# KiCad board FPGA_DevBoard.kicad_pcb (continued)
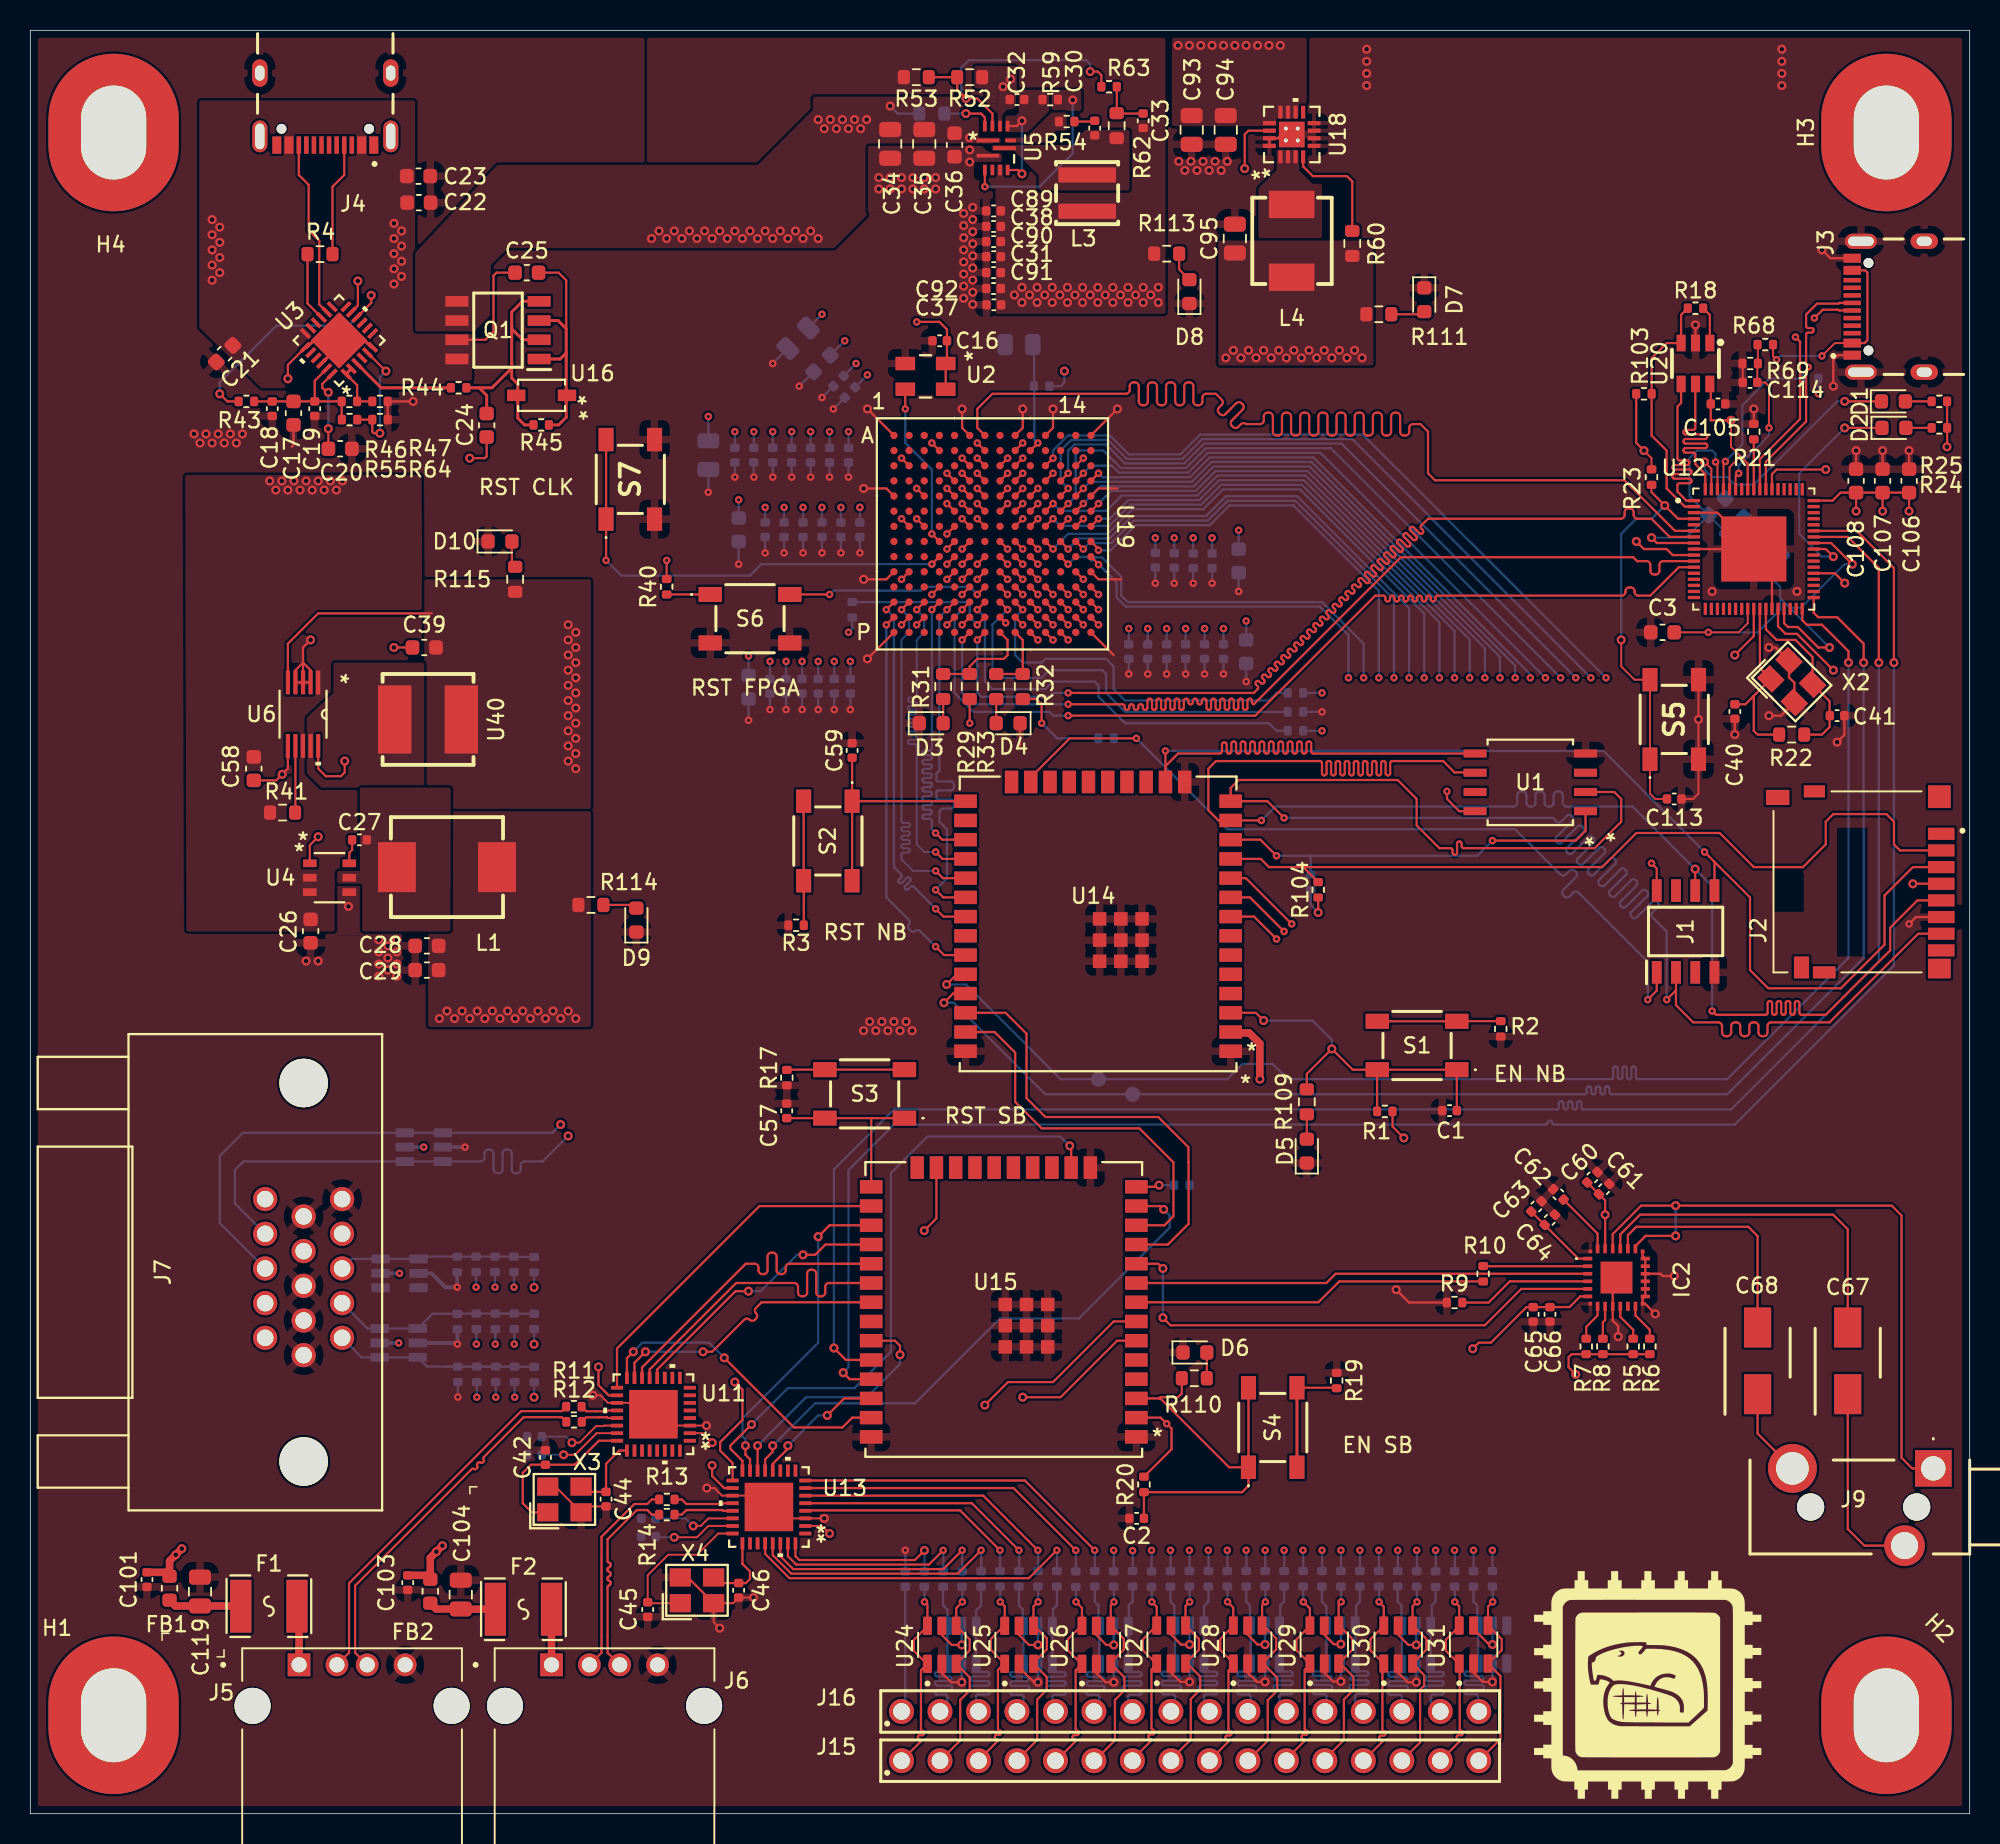
[diagram p0: board, top side]
## Routing (per net, layer and track width the routed paths; a pad name or vN(x,y) marks a point on that pad's centre or on a via; arc(x,y) is an arc through that point) (continued)
  Bottom signal w0.15: R50.1 v1(29.44,31.01)
G1: length 90.4
  Top signal w0.15: U19.M12 v1(68.5,79.5)
  Top PWR w0.15: v1(68.5,79.5) 69,79 69,78.1 69.5,77.6 69.5,77 66.25,73.75 66.25,66.52 arc(66.21,66.42) 66.1,66.38 65.96,66.38 arc(65.86,66.33) 65.82,66.23 65.82,66.15 arc(65.86,66.05) 65.96,66.01 66.1,66.01 arc(66.21,65.96) 66.25,65.86 66.25,65.78 arc(66.21,65.68) 66.1,65.64 65.96,65.64 arc(65.86,65.59) 65.82,65.49 65.82,65.41 arc(65.86,65.31) 65.96,65.27 66.1,65.27 arc(66.21,65.22) 66.25,65.12 66.25,65.04 arc(66.21,64.94) 66.1,64.9 65.96,64.9 arc(65.86,64.85) 65.82,64.75 65.82,64.67 arc(65.86,64.57) 65.96,64.53 66.1,64.53 arc(66.21,64.48) 66.25,64.38 66.25,64.3 arc(66.21,64.2) 66.1,64.16 65.96,64.16 arc(65.86,64.11) 65.82,64.01 65.82,63.93 arc(65.86,63.83) 65.96,63.79 66.1,63.79 arc(66.21,63.74) 66.25,63.64 66.25,63.56 arc(66.21,63.46) 66.1,63.42 65.96,63.42 arc(65.86,63.37) 65.82,63.27 65.82,63.19 arc(65.86,63.09) 65.96,63.05 66.1,63.05 arc(66.21,63) 66.25,62.9 66.25,62.82 arc(66.21,62.72) 66.1,62.68 65.96,62.68 arc(65.86,62.63) 65.82,62.53 65.82,62.45 arc(65.86,62.35) 65.96,62.31 66.1,62.31 arc(66.21,62.26) 66.25,62.16 66.25,62.08 arc(66.21,61.98) 66.1,61.94 65.96,61.94 arc(65.86,61.89) 65.82,61.79 65.82,61.71 arc(65.86,61.61) 65.96,61.57 66.1,61.57 arc(66.21,61.52) 66.25,61.42 66.25,61.34 arc(66.21,61.24) 66.1,61.2 65.96,61.2 arc(65.86,61.15) 65.82,61.05 65.82,60.97 arc(65.86,60.87) 65.96,60.83 66.1,60.83 arc(66.21,60.78) 66.25,60.68 66.25,60.6 arc(66.21,60.5) 66.1,60.46 65.96,60.46 arc(65.86,60.41) 65.82,60.31 65.82,60.23 arc(65.86,60.13) 65.96,60.09 66.1,60.09 arc(66.21,60.04) 66.25,59.94 66.25,59.86 arc(66.21,59.76) 66.1,59.72 65.96,59.72 arc(65.86,59.67) 65.82,59.57 65.82,59.49 arc(65.86,59.39) 65.96,59.35 66.1,59.35 arc(66.21,59.3) 66.25,59.2 66.25,59.12 arc(66.21,59.02) 66.1,58.98 65.96,58.98 arc(65.86,58.93) 65.82,58.83 65.82,58.75 arc(65.86,58.65) 65.96,58.61 66.1,58.61 arc(66.21,58.56) 66.25,58.46 66.25,58.38 arc(66.21,58.28) 66.1,58.24 65.96,58.24 arc(65.86,58.19) 65.82,58.09 65.82,58.01 arc(65.86,57.91) 65.96,57.87 66.1,57.87 arc(66.21,57.82) 66.25,57.72 66.25,57.64 arc(66.21,57.54) 66.1,57.5 65.96,57.5 arc(65.86,57.45) 65.82,57.35 65.82,57.27 arc(65.86,57.17) 65.96,57.13 66.1,57.13 arc(66.21,57.08) 66.25,56.98 66.25,56.9 arc(66.21,56.8) 66.1,56.76 65.96,56.76 arc(65.86,56.71) 65.82,56.61 65.82,56.53 arc(65.86,56.43) 65.96,56.39 66.1,56.39 arc(66.21,56.34) 66.25,56.24 66.25,56.16 arc(66.21,56.06) 66.1,56.02 65.96,56.02 arc(65.86,55.97) 65.82,55.87 65.82,55.79 arc(65.86,55.69) 65.96,55.65 66.1,55.65 arc(66.21,55.6) 66.25,55.5 66.25,55.42 arc(66.21,55.32) 66.1,55.28 65.96,55.28 arc(65.86,55.23) 65.82,55.13 65.82,55.05 arc(65.86,54.95) 65.96,54.91 66.1,54.91 arc(66.21,54.86) 66.25,54.76 66.25,50.22 61.53,45.5 39.63,45.5 34.3,40.17 34.3,34.63 33.37,33.7 31.45,33.7 30.69,32.94 v1(30.69,31.01)
  Bottom signal w0.15: R49.1 v1(30.69,31.01)
G2: length 90.4
  Top signal w0.15: U19.M13 v1(69.5,79.5)
  Top PWR w0.15: v1(31.94,31.01) 31.94,32.69 32.65,33.4 33.5,33.4 34.6,34.5 34.6,40.04 39.06,44.5 52.27,44.5 arc(52.37,44.54) 52.4,44.63 52.4,45.06 arc(52.44,45.15) 52.54,45.19 52.6,45.19 arc(52.7,45.15) 52.73,45.06 52.73,44.63 arc(52.77,44.54) 52.87,44.5 52.93,44.5 arc(53.03,44.54) 53.06,44.63 53.06,45.06 arc(53.1,45.15) 53.2,45.19 53.26,45.19 arc(53.36,45.15) 53.39,45.06 53.39,44.63 arc(53.43,44.54) 53.53,44.5 53.59,44.5 arc(53.69,44.54) 53.72,44.63 53.72,45.06 arc(53.76,45.15) 53.86,45.19 53.92,45.19 arc(54.02,45.15) 54.05,45.06 54.05,44.63 arc(54.09,44.54) 54.19,44.5 54.25,44.5 arc(54.35,44.54) 54.38,44.63 54.38,45.06 arc(54.42,45.15) 54.52,45.19 54.58,45.19 arc(54.68,45.15) 54.71,45.06 54.71,44.63 arc(54.75,44.54) 54.85,44.5 54.91,44.5 arc(55.01,44.54) 55.04,44.63 55.04,45.06 arc(55.08,45.15) 55.18,45.19 55.24,45.19 arc(55.34,45.15) 55.37,45.06 55.37,44.63 arc(55.41,44.54) 55.51,44.5 55.57,44.5 arc(55.67,44.54) 55.7,44.63 55.7,45.06 arc(55.74,45.15) 55.84,45.19 55.9,45.19 arc(56,45.15) 56.03,45.06 56.03,44.63 arc(56.07,44.54) 56.17,44.5 56.23,44.5 arc(56.33,44.54) 56.36,44.63 56.36,45.06 arc(56.4,45.15) 56.5,45.19 56.56,45.19 arc(56.66,45.15) 56.69,45.06 56.69,44.63 arc(56.73,44.54) 56.83,44.5 56.89,44.5 arc(56.99,44.54) 57.02,44.63 57.02,45.06 arc(57.06,45.15) 57.16,45.19 57.22,45.19 arc(57.32,45.15) 57.35,45.06 57.35,44.63 arc(57.39,44.54) 57.49,44.5 57.55,44.5 arc(57.65,44.54) 57.68,44.63 57.68,45.06 arc(57.72,45.15) 57.82,45.19 57.88,45.19 arc(57.98,45.15) 58.01,45.06 58.01,44.63 arc(58.05,44.54) 58.15,44.5 61.94,44.5 67.25,49.81 67.25,74.25 70,77 70,79 v1(69.5,79.5)
  Bottom signal w0.15: R48.1 v1(31.94,31.01)
G3: length 90.4
  Top signal w0.15: U19.N14 v1(70.5,78.5)
  Top PWR w0.15: v2(33.25,31) 33.25,32.73 34.9,34.38 34.9,39.92 38.73,43.75 62.25,43.75 68,49.5 68,55.45 arc(67.96,55.54) 67.88,55.57 67.68,55.57 arc(67.6,55.61) 67.56,55.69 67.56,55.75 arc(67.6,55.84) 67.68,55.87 67.88,55.87 arc(67.96,55.91) 68,55.99 68,56.05 arc(67.96,56.14) 67.88,56.17 67.68,56.17 arc(67.6,56.21) 67.56,56.29 67.56,56.35 arc(67.6,56.44) 67.68,56.47 67.88,56.47 arc(67.96,56.51) 68,56.59 68,56.65 arc(67.96,56.74) 67.88,56.77 67.68,56.77 arc(67.6,56.81) 67.56,56.89 67.56,56.95 arc(67.6,57.04) 67.68,57.07 67.88,57.07 arc(67.96,57.11) 68,57.19 68,57.25 arc(67.96,57.34) 67.88,57.37 67.68,57.37 arc(67.6,57.41) 67.56,57.49 67.56,57.55 arc(67.6,57.64) 67.68,57.67 67.88,57.67 arc(67.96,57.71) 68,57.79 68,57.85 arc(67.96,57.94) 67.88,57.97 67.68,57.97 arc(67.6,58.01) 67.56,58.09 67.56,58.15 arc(67.6,58.24) 67.68,58.27 67.88,58.27 arc(67.96,58.31) 68,58.39 68,58.45 arc(67.96,58.54) 67.88,58.57 67.68,58.57 arc(67.6,58.61) 67.56,58.69 67.56,58.75 arc(67.6,58.84) 67.68,58.87 67.88,58.87 arc(67.96,58.91) 68,58.99 68,59.05 arc(67.96,59.14) 67.88,59.17 67.68,59.17 arc(67.6,59.21) 67.56,59.29 67.56,59.35 arc(67.6,59.44) 67.68,59.47 67.88,59.47 arc(67.96,59.51) 68,59.59 68,59.65 arc(67.96,59.74) 67.88,59.77 67.68,59.77 arc(67.6,59.81) 67.56,59.89 67.56,59.95 arc(67.6,60.04) 67.68,60.07 67.88,60.07 arc(67.96,60.11) 68,60.19 68,60.25 arc(67.96,60.34) 67.88,60.37 67.68,60.37 arc(67.6,60.41) 67.56,60.49 67.56,60.55 arc(67.6,60.64) 67.68,60.67 67.88,60.67 arc(67.96,60.71) 68,60.79 68,60.85 arc(67.96,60.94) 67.88,60.97 67.68,60.97 arc(67.6,61.01) 67.56,61.09 67.56,61.15 arc(67.6,61.24) 67.68,61.27 67.88,61.27 arc(67.96,61.31) 68,61.39 68,61.45 arc(67.96,61.54) 67.88,61.57 67.68,61.57 arc(67.6,61.61) 67.56,61.69 67.56,61.75 arc(67.6,61.84) 67.68,61.87 67.88,61.87 arc(67.96,61.91) 68,61.99 68,62.05 arc(67.96,62.14) 67.88,62.17 67.68,62.17 arc(67.6,62.21) 67.56,62.29 67.56,62.35 arc(67.6,62.44) 67.68,62.47 67.88,62.47 arc(67.96,62.51) 68,62.59 68,62.65 arc(67.96,62.74) 67.88,62.77 67.68,62.77 arc(67.6,62.81) 67.56,62.89 67.56,62.95 arc(67.6,63.04) 67.68,63.07 67.88,63.07 arc(67.96,63.11) 68,63.19 68,63.25 arc(67.96,63.34) 67.88,63.37 67.68,63.37 arc(67.6,63.41) 67.56,63.49 67.56,63.55 arc(67.6,63.64) 67.68,63.67 67.88,63.67 arc(67.96,63.71) 68,63.79 68,63.85 arc(67.96,63.94) 67.88,63.97 67.68,63.97 arc(67.6,64.01) 67.56,64.09 67.56,64.15 arc(67.6,64.24) 67.68,64.27 67.88,64.27 arc(67.96,64.31) 68,64.39 68,64.45 arc(67.96,64.54) 67.88,64.57 67.68,64.57 arc(67.6,64.61) 67.56,64.69 67.56,64.75 arc(67.6,64.84) 67.68,64.87 67.88,64.87 arc(67.96,64.91) 68,64.99 68,65.05 arc(67.96,65.14) 67.88,65.17 67.68,65.17 arc(67.6,65.21) 67.56,65.29 67.56,65.35 arc(67.6,65.44) 67.68,65.47 67.88,65.47 arc(67.96,65.51) 68,65.59 68,65.65 arc(67.96,65.74) 67.88,65.77 67.68,65.77 arc(67.6,65.81) 67.56,65.89 67.56,65.95 arc(67.6,66.04) 67.68,66.07 67.88,66.07 arc(67.96,66.11) 68,66.19 68,74.5 70.5,77 v1(70.5,78.5)
  Bottom signal w0.15: R107.1 v2(33.25,31)
GPIO_0: length 11
  Top signal w0.15: v2(59.01,17.38) 58.38,16.75 50.75,16.75 50.5,17 U13.32
  Bottom signal w0.15: 59,17.39 v2(59.01,17.38) 59.01,16.12
GPIO_1: length 15
  Top signal w0.15: U13.30 49.5,17 50.35,16.15 60.26,16.15 v1(61.5,17.39)
  Bottom signal w0.15: v1(61.5,17.39) 61.51,17.38 61.51,16.11
GPIO_2: length 15.2
  Top signal w0.15: U13.4 51.18,20.02 61.37,20.02 v1(64,17.39)
  Bottom signal w0.15: v1(64,17.39) 64.01,17.38 64.01,16.12
GPIO_3: length 18.1
  Top signal w0.15: U13.6 62.89,21 v1(66.5,17.39)
  Bottom signal w0.15: v1(66.5,17.39) 66.51,17.38 66.51,16.12
GPIO_4: length 20.8
  Top signal w0.15: v1(69,17.39) 64.89,21.5 U13.7
  Bottom signal w0.15: v1(69,17.39) 69.01,17.38 69.01,16.12
GPIO_5: length 51.8
  Top signal w0.15: U14.8 80.77,59.23 v1(82.25,57.75)
  Top PWR w0.15: v1(71.5,17.39) 71.5,21.47 77.44,27.4 77.44,29.02 arc(77.47,29.09) 77.54,29.12 arc(77.61,29.15) 77.64,29.22 77.64,29.32 arc(77.61,29.39) 77.54,29.42 77.34,29.42 arc(77.27,29.45) 77.24,29.52 77.24,29.62 arc(77.27,29.69) 77.34,29.72 77.54,29.72 arc(77.61,29.75) 77.64,29.82 77.64,29.92 arc(77.61,29.99) 77.54,30.02 77.34,30.02 arc(77.27,30.05) 77.24,30.12 77.24,30.22 arc(77.27,30.29) 77.34,30.32 77.54,30.32 arc(77.61,30.35) 77.64,30.42 77.64,30.52 arc(77.61,30.59) 77.54,30.62 77.34,30.62 arc(77.27,30.65) 77.24,30.72 77.24,30.82 arc(77.27,30.89) 77.34,30.92 77.54,30.92 arc(77.61,30.95) 77.64,31.02 77.64,31.12 arc(77.61,31.19) 77.54,31.22 arc(77.47,31.25) 77.44,31.32 77.44,51.44 82.25,56.25 82.25,57.75 v1(82.25,57.75)
  Bottom signal w0.15: v1(71.5,17.39) 71.51,17.38 71.51,16.12
GPIO_6: length 51.7
  Top signal w0.15: v1(83.25,58.75) 80.23,61.77 U14.10
  Top PWR w0.15: v1(74,17.39) 74,21.15 79.43,26.58 79.43,49.03 83.25,52.86 v1(83.25,58.75)
  Bottom signal w0.15: v1(74,17.39) 74.01,17.38 74.01,16.12
GPIO_17: length 13
  Top signal w0.15: v1(60.25,17.39) 59.31,16.45 50.55,16.45 50,17 U13.31
  Bottom signal w0.15: v1(60.25,17.39) 60.26,17.38 60.26,16.12
GPIO_18: length 17
  Top signal w0.15: U13.29 49,17.08 50.23,15.85 61.21,15.85 v1(62.75,17.39)
  Bottom signal w0.15: v1(62.75,17.39) 62.76,17.38 62.76,16.11
GPIO_19: length 16.7
  Top signal w0.15: U13.5 62.14,20.5 v1(65.25,17.39)
  Top PWR w0.15: v1(65.25,17.39) 65.25,17.44
  Bottom signal w0.15: v1(65.25,17.39) 65.26,17.38 65.26,16.12
GPIO_20: length 22.6
  Top signal w0.15: U13.28 48.5,17.15 50.1,15.55 65.91,15.55 v1(67.75,17.39)
  Bottom signal w0.15: v1(67.75,17.39) 67.76,17.38 67.76,16.12
GPIO_21: length 22.3
  Top signal w0.15: U13.8 65.64,22 v1(70.25,17.39)
  Bottom signal w0.15: v1(70.25,17.39) 70.26,17.38 70.26,16.12
GPIO_22: length 51.9
  Top signal w0.15: v1(82.75,58.25) 80.5,60.5 U14.9
  Top PWR w0.15: v1(82.75,58.25) 82.75,55.35 78.44,51.04 78.44,30.37 arc(78.41,30.3) 78.34,30.27 arc(78.27,30.24) 78.24,30.17 78.24,30.07 arc(78.27,30) 78.34,29.97 78.54,29.97 arc(78.61,29.94) 78.64,29.87 78.64,29.77 arc(78.61,29.7) 78.54,29.67 78.34,29.67 arc(78.27,29.64) 78.24,29.57 78.24,29.47 arc(78.27,29.4) 78.34,29.37 78.54,29.37 arc(78.61,29.34) 78.64,29.27 78.64,29.17 arc(78.61,29.1) 78.54,29.07 arc(78.47,29.04) 78.44,28.97 78.44,26.99 72.75,21.3 v1(72.75,17.37)
  Bottom signal w0.15: 72.76,16.12 72.76,17.36 v1(72.75,17.37)
Max1_Int: length 40.6
  Top signal w0.15: U11.18 38.17,27.63 37.5,28.3 v2(37.5,29.5) ; v2(65.5,27.5) 68,27.5 71.73,31.23 U15.6
  Top PWR w0.15: v2(37.5,29.5) 44.5,29.5 46.5,27.5 v2(65.5,27.5)
Max2_Int: length 34.3
  Top signal w0.15: v2(63,26.97) 64.53,28.5 67.5,28.5 71.5,32.5 U15.7 ; v2(45,23) 45,22.3 45.8,21.5 U13.18
  Top PWR w0.15: v2(63,26.97) 62.97,26.97 59,23 v2(45,23)
Max_GPX_1: length 23.3
  Top signal w0.15: U11.17 38.72,30.72 48.12,40.12 U15.26
Max_GPX_2: length 29.4
  Top signal w0.15: U15.23 59.81,39.31 v2(59,38.5) ; U13.17 46.35,23.15 45.53,23.97 45.53,24.53 47,26 47,28 v2(46.5,28.5)
  Top PWR w0.15: v2(59,38.5) 57.5,37 54,37 46.5,29.5 v2(46.5,28.5)
Max_MISO_1: length 18.9
  Top signal w0.15: v2(44.4,30.5) 45,30.5 47.13,32.63 arc(47.3,32.7) 47.46,32.63 47.48,32.61 arc(47.65,32.54) 47.82,32.61 47.9,32.69 arc(47.98,32.86) 47.9,33.03 47.89,33.05 arc(47.82,33.22) 47.89,33.39 48.27,33.77 U15.31 55.46,33.73 ; U11.15 39.87,29.77 v2(40.6,30.5)
  Bottom signal w0.15: v2(44.4,30.5) v2(40.6,30.5)
Max_MISO_2: length 21.7
  Top signal w0.15: v2(47.2,24.3) 47.2,23.7 47.5,23.4 U13.15 ; v2(52,38.1) 52.75,38.85 U15.27
  Bottom signal w0.15: v2(47.2,24.3) 47.2,24.7 47,24.9 47,26.1 52,31.1 v2(52,38.1) 52,38.3
Max_MOSI_1: length 20.1
  Top signal w0.15: v2(45.8,30.1) 50.4,25.5 53.6,25.5 54.25,26.15 55.2,26.15 ; U11.16 39.38,30.08 v2(39.8,30.5)
  Bottom signal w0.15: v2(39.8,30.5) 40.4,31.1 44.8,31.1 v2(45.8,30.1)
Max_MOSI_2: length 41.2
  Top signal w0.15: U13.16 47,23.3 46.2,24.1 46.2,24.3 v2(47.6,25.7) ; v2(68.6,44.1) 68.69,44 68.69,42.96
  Bottom signal w0.15: v2(68.6,44.1) 68,44.7 59.2,44.7 56.8,42.3 56.8,30.5 54.4,28.1 50,28.1 v2(47.6,25.7)
Max_Res_1: length 18.1
  Top signal w0.15: U15.28 52.48,37.58 51.8,36.9 v2(51,36.9) ; v2(47.4,34.5) 46.55,34.5 41.37,29.33 U11.12
  Bottom signal w0.15: v2(47.4,34.5) 48.2,34.5 50.6,36.9 v2(51,36.9)
Max_Res_2: length 8.9
  Top signal w0.15: v2(50,24.3) 50,24.1 49,23.1 U13.12 ; v2(52.6,26.3) 53.72,27.42 U15.36
  Bottom signal w0.15: v2(50,24.3) 52,26.3 v2(52.6,26.3)
Max_SCLK_1: length 22
  Top signal w0.15: 55.46,35 U15.30 52.71,35.04 arc(52.54,34.97) 52.47,34.8 52.47,34.41 arc(52.4,34.24) 52.23,34.17 52.11,34.17 arc(51.94,34.24) 51.87,34.41 51.87,35.67 arc(51.8,35.84) 51.63,35.91 51.51,35.91 arc(51.34,35.84) 51.27,35.67 51.27,34.41 arc(51.2,34.24) 51.03,34.17 50.91,34.17 arc(50.74,34.24) 50.67,34.41 50.67,34.8 arc(50.6,34.97) 50.43,35.04 46.59,35.04 40.87,29.33 U11.13
Max_SCLK_2: length 37.3
  Top signal w0.15: v2(74.8,39.9) 74.58,40.12 U15.13 ; U13.13 48.5,23.4 49,23.9 v2(49,24.3)
  Bottom signal w0.15: v2(49,24.3) 51.8,27.1 58.4,27.1 64,32.7 69.2,32.7 75.2,38.7 75.2,39.5 v2(74.8,39.9)
Max_SS_1: length 22
  Top signal w0.15: U15.29 50.1,36.31 arc(49.93,36.24) 49.86,36.07 49.86,35.87 arc(49.79,35.7) 49.62,35.63 49.5,35.63 arc(49.33,35.7) 49.26,35.87 49.26,36.8 arc(49.19,36.97) 49.02,37.04 48.9,37.04 arc(48.73,36.97) 48.66,36.8 48.66,35.87 arc(48.59,35.7) 48.42,35.63 48.3,35.63 arc(48.13,35.7) 48.06,35.87 48.06,36.07 arc(47.99,36.24) 47.82,36.31 47.22,36.31 40.37,29.46 U11.14
Max_SS_2: length 16.5
  Top signal w0.15: U15.33 57.07,31.23 57.4,30.9 v2(57.4,30.3) ; U13.14 v2(48,24.3)
  Bottom signal w0.15: v2(57.4,30.3) 57.4,29.7 55.2,27.5 51.2,27.5 v2(48,24.3)
NBRXD: length 97
  Top signal w0.15: U14.34 61.15,55.42 v2(60.47,54.75) ; v2(120,76) 120,76.75 118.25,78.5 117.25,78.5 116.95,78.8 U12.34
  Bottom signal w0.15: v2(60.47,54.75) 61.75,54.75 68,48.5 79,48.5 80,49.5 82,49.5 83,48.5 104.35,48.5 arc(104.44,48.54) 104.47,48.62 104.47,49.21 arc(104.51,49.3) 104.59,49.33 104.65,49.33 arc(104.74,49.3) 104.77,49.21 104.77,48.62 arc(104.81,48.54) 104.89,48.5 104.95,48.5 arc(105.04,48.54) 105.07,48.62 105.07,49.21 arc(105.11,49.3) 105.19,49.33 105.25,49.33 arc(105.34,49.3) 105.37,49.21 105.37,48.62 arc(105.41,48.54) 105.49,48.5 105.55,48.5 arc(105.64,48.54) 105.67,48.62 105.67,49.21 arc(105.71,49.3) 105.79,49.33 105.85,49.33 arc(105.94,49.3) 105.97,49.21 105.97,48.62 arc(106.01,48.54) 106.09,48.5 112,48.5 120,56.5 v2(120,76)
NBSB_RX: length 25.4
  Top signal w0.15: U15.12 74.85,38.85 75.45,39.45 75.45,43 73.2,45.25 66.75,45.25 65,47 65,50.25 63.64,51.61 U14.37
NBSB_TX: length 30
  Top signal w0.15: U15.11 75.08,37.58 76.45,38.95 76.45,43 76.44,43.01 76.44,44.01 74.45,46 67,46 65.75,47.25 65.75,51.5 64.37,52.88 U14.36
NBTXD: length 97
  Top signal w0.15: v2(121,76) 121,77.25 119.25,79 118,79 117.7,79.3 U12.35 ; U14.35 60.91,54.15 v2(60.3,53.54)
  Bottom signal w0.15: v2(60.3,53.54) 60.96,53.54 67,47.5 102.6,47.5 arc(102.69,47.54) 102.72,47.62 102.72,47.9 arc(102.76,47.98) 102.84,48.02 102.9,48.02 arc(102.99,47.98) 103.02,47.9 103.02,47.62 arc(103.06,47.54) 103.14,47.5 103.2,47.5 arc(103.29,47.54) 103.32,47.62 103.32,47.9 arc(103.36,47.98) 103.44,48.02 103.5,48.02 arc(103.59,47.98) 103.62,47.9 103.62,47.62 arc(103.66,47.54) 103.74,47.5 103.8,47.5 arc(103.89,47.54) 103.92,47.62 103.92,47.9 arc(103.96,47.98) 104.04,48.02 104.1,48.02 arc(104.19,47.98) 104.22,47.9 104.22,47.62 arc(104.26,47.54) 104.34,47.5 112,47.5 121,56.5 v2(121,76)
R0: length 90.4
  Top signal w0.15: U19.M14 v1(70.5,79.5)
  Top PWR w0.15: v1(29.47,27.5) 29.47,29.22 30.5,30.25 33.5,30.25 35.25,32 35.25,39.77 38.23,42.75 53.73,42.75 arc(53.84,42.8) 53.88,42.91 53.88,43.27 arc(53.93,43.38) 54.04,43.43 54.12,43.43 arc(54.23,43.38) 54.27,43.27 54.27,42.91 arc(54.32,42.8) 54.43,42.75 54.51,42.75 arc(54.62,42.8) 54.66,42.91 54.66,43.27 arc(54.71,43.38) 54.82,43.43 54.9,43.43 arc(55.01,43.38) 55.05,43.27 55.05,42.91 arc(55.1,42.8) 55.21,42.75 55.29,42.75 arc(55.4,42.8) 55.44,42.91 55.44,43.27 arc(55.49,43.38) 55.6,43.43 55.68,43.43 arc(55.79,43.38) 55.83,43.27 55.83,42.91 arc(55.88,42.8) 55.99,42.75 62.66,42.75 69,49.09 69,75 71,77 71,79 v1(70.5,79.5)
  Bottom signal w0.15: R61.1 v1(29.47,27.5)
R1: length 90.3
  Top signal w0.15: U19.L12 v1(68.5,80.5)
  Top PWR w0.15: 30.72,27.48 v1(30.72,27.5) 30.72,29.72 30.95,29.95 33.62,29.95 35.55,31.88 35.55,39.65 37.9,42 62.97,42 69.75,48.78 69.75,75.25 71.5,77 71.5,79.5 71,80 69,80 v1(68.5,80.5)
  Bottom signal w0.15: R58.1 v1(30.72,27.5)
R2: length 90.4
  Top signal w0.15: U19.L14 v1(70.5,80.5)
  Top PWR w0.15: v1(31.97,27.5) 31.97,29.47 32.15,29.65 33.75,29.65 35.85,31.75 35.85,39.52 37.58,41.25 54.39,41.25 arc(54.52,41.3) 54.57,41.43 54.57,41.47 arc(54.62,41.6) 54.75,41.65 54.84,41.65 arc(54.97,41.6) 55.02,41.47 55.02,41.43 arc(55.07,41.3) 55.2,41.25 55.29,41.25 arc(55.42,41.3) 55.47,41.43 55.47,41.47 arc(55.52,41.6) 55.65,41.65 55.74,41.65 arc(55.87,41.6) 55.92,41.47 55.92,41.43 arc(55.97,41.3) 56.1,41.25 56.19,41.25 arc(56.32,41.3) 56.37,41.43 56.37,41.47 arc(56.42,41.6) 56.55,41.65 56.64,41.65 arc(56.77,41.6) 56.82,41.47 56.82,41.43 arc(56.87,41.3) 57,41.25 57.09,41.25 arc(57.22,41.3) 57.27,41.43 57.27,41.47 arc(57.32,41.6) 57.45,41.65 57.54,41.65 arc(57.67,41.6) 57.72,41.47 57.72,41.43 arc(57.77,41.3) 57.9,41.25 63.29,41.25 70.5,48.46 70.5,75.5 72,77 72,80 71.5,80.5 v1(70.5,80.5)
  Bottom signal w0.15: R57.1 v1(31.97,27.5)
R3: length 90.4
  Top signal w0.15: U19.L13 v1(69.5,80.5)
  Top PWR w0.15: v2(33.25,27.5) 33.25,29.25 33.35,29.35 33.87,29.35 36.15,31.63 36.15,39.25 37.4,40.5 63.6,40.5 71.25,48.15 71.25,75.75 73,77.5 73,80 72,81 70,81 v1(69.5,80.5)
  Bottom signal w0.15: R108.1 v2(33.25,27.5)
SBRXD: length 123
  Top signal w0.15: v2(53.04,30.75) 53.83,29.96 U15.34 ; U12.45 119.95,84.3 122,82.25 v2(122,76)
  Bottom signal w0.15: v2(53.04,30.75) 53.04,42.54 57,46.5 100.76,46.5 arc(100.85,46.54) 100.88,46.62 100.88,46.92 arc(100.92,47.01) 101,47.04 101.06,47.04 arc(101.15,47.01) 101.18,46.92 101.18,46.62 arc(101.22,46.54) 101.3,46.5 101.36,46.5 arc(101.45,46.54) 101.48,46.62 101.48,46.92 arc(101.52,47.01) 101.6,47.04 101.66,47.04 arc(101.75,47.01) 101.78,46.92 101.78,46.62 arc(101.82,46.54) 101.9,46.5 101.96,46.5 arc(102.05,46.54) 102.08,46.62 102.08,46.92 arc(102.12,47.01) 102.2,47.04 102.26,47.04 arc(102.35,47.01) 102.38,46.92 102.38,46.62 arc(102.42,46.54) 102.5,46.5 112.25,46.5 122,56.25 v2(122,76)
SBTXD: length 123
  Top signal w0.15: v2(53.65,29.12) 54.08,28.69 U15.35 ; v2(123,76) 123,82.25 120.55,84.7 U12.46
  Bottom signal w0.15: v2(123,76) 123,56 112.5,45.5 100.57,45.5 arc(100.48,45.54) 100.45,45.62 100.45,45.62 arc(100.41,45.71) 100.33,45.74 100.27,45.74 arc(100.18,45.71) 100.15,45.62 100.15,45.62 arc(100.11,45.54) 100.03,45.5 57,45.5 54,42.5 54,29.47 v2(53.65,29.12)
VSPI_CLK: length 26
  Top signal w0.15: U14.29 60.23,61.77 v1(59.75,62.25) ; U19.M2 v1(57.5,79.5)
  Bottom signal w0.13: 58,79 58,78 57.5,77.5 57.5,65.53 arc(57.53,65.45) 57.61,65.42 57.94,65.42 arc(58.02,65.39) 58.05,65.31 58.05,65.25 arc(58.02,65.17) 57.94,65.14 57.61,65.14 arc(57.53,65.11) 57.5,65.03 57.5,64.97 arc(57.53,64.89) 57.61,64.86 57.94,64.86 arc(58.02,64.83) 58.05,64.75 58.05,64.69 arc(58.02,64.61) 57.94,64.58 57.61,64.58 arc(57.53,64.55) 57.5,64.47 57.5,64.41 arc(57.53,64.33) 57.61,64.3 57.94,64.3 arc(58.02,64.27) 58.05,64.19 58.05,64.13 arc(58.02,64.05) 57.94,64.02 57.61,64.02 arc(57.53,63.99) 57.5,63.91 57.5,63.85 arc(57.53,63.77) 57.61,63.74 57.94,63.74 arc(58.02,63.71) 58.05,63.63 58.05,63.57 arc(58.02,63.49) 57.94,63.46 57.61,63.46 arc(57.53,63.43) 57.5,63.35 57.5,63 58.25,62.25 v1(59.75,62.25)
  Bottom signal w0.15: 58,79 v1(57.5,79.5)
VSPI_CS: length 26.1
  Top signal w0.15: U14.30 60.25,60.5 v1(59.75,61) ; U19.M5 v1(60.5,79.5)
  Bottom signal w0.15: v1(60.5,79.5) 60,79 60,68.86 arc(59.97,68.79) 59.9,68.76 arc(59.83,68.73) 59.8,68.66 59.8,68.26 arc(59.83,68.19) 59.9,68.16 60.72,68.16 arc(60.89,68.09) 60.96,67.92 60.96,67.8 arc(60.89,67.63) 60.72,67.56 59.9,67.56 arc(59.83,67.53) 59.8,67.46 59.8,67.06 arc(59.83,66.99) 59.9,66.96 60.74,66.96 arc(60.91,66.89) 60.98,66.72 60.98,66.6 arc(60.91,66.43) 60.74,66.36 60.24,66.36 arc(60.07,66.29) 60,66.12 60,65.5 60.5,65 60.5,61.75 v1(59.75,61)
VSPI_D0: length 26
  Top signal w0.15: U19.M3 v1(58.5,79.5) ; v1(59.75,63.5) 60.21,63.04 U14.28
  Bottom signal w0.13: v1(59.75,63.5) 59,63.5 58.5,64 58.5,70.51 arc(58.47,70.59) 58.39,70.62 58.04,70.62 arc(57.96,70.66) 57.92,70.74 57.92,70.79 arc(57.96,70.87) 58.04,70.9 58.39,70.9 arc(58.47,70.94) 58.5,71.02 58.5,71.07 arc(58.47,71.15) 58.39,71.18 58.04,71.18 arc(57.96,71.22) 57.92,71.3 57.92,71.35 arc(57.96,71.43) 58.04,71.46 58.39,71.46 arc(58.47,71.5) 58.5,71.58 58.5,71.63 arc(58.47,71.71) 58.39,71.74 58.04,71.74 arc(57.96,71.78) 57.92,71.86 57.92,71.91 arc(57.96,71.99) 58.04,72.02 58.39,72.02 arc(58.47,72.06) 58.5,72.14 58.5,72.19 arc(58.47,72.27) 58.39,72.3 58.04,72.3 arc(57.96,72.34) 57.92,72.42 57.92,72.47 arc(57.96,72.55) 58.04,72.58 58.39,72.58 arc(58.47,72.62) 58.5,72.7 58.5,72.75 arc(58.47,72.83) 58.39,72.86 58.04,72.86 arc(57.96,72.9) 57.92,72.98 57.92,73.03 arc(57.96,73.11) 58.04,73.14 58.39,73.14 arc(58.47,73.18) 58.5,73.26 58.5,73.31 arc(58.47,73.39) 58.39,73.42 58.04,73.42 arc(57.96,73.46) 57.92,73.54 57.92,73.59 arc(57.96,73.67) 58.04,73.7 58.39,73.7 arc(58.47,73.74) 58.5,73.82 58.5,77.5 59,78 59,79
  Bottom signal w0.15: 59,79 v1(58.5,79.5)
VSPI_D1: length 26
  Top signal w0.15: v1(59.75,59.75) 60.27,59.23 U14.31 ; U19.M1 v1(56.5,79.5)
  Bottom signal w0.15: v1(59.75,59.75) 58.29,61.21 arc(58.21,61.24) 58.12,61.21 57.95,61.03 arc(57.86,61) 57.78,61.03 57.74,61.08 arc(57.7,61.16) 57.74,61.25 58.08,61.59 arc(58.11,61.67) 58.08,61.75 58.03,61.8 arc(57.95,61.83) 57.87,61.8 57.53,61.46 arc(57.44,61.42) 57.36,61.46 57.31,61.5 arc(57.28,61.59) 57.31,61.67 57.49,61.84 arc(57.52,61.93) 57.49,62.01 57,62.5 57,79 v1(56.5,79.5)
VSPI_D2: length 26
  Top signal w0.15: U19.N1 v1(56.5,78.5) ; U14.33 60.31,56.69 v1(59.75,57.25)
  Bottom signal w0.15: v1(56.5,78.5) 56.5,60.5 57.99,59.01 arc(58.05,58.86) 57.99,58.71 arc(57.93,58.56) 57.99,58.41 58.12,58.29 arc(58.27,58.22) 58.42,58.29 arc(58.56,58.35) 58.71,58.29 v1(59.75,57.25)
VSPI_D3: length 26
  Top signal w0.15: U14.27 60.19,64.31 v1(59.75,64.75) ; U19.M4 v1(59.5,79.5)
  Bottom signal w0.15: v1(59.5,79.5) 59.5,70.3 arc(59.46,70.22) 59.38,70.18 59,70.18 arc(58.91,70.15) 58.88,70.06 58.88,70 arc(58.91,69.92) 59,69.88 59.38,69.88 arc(59.46,69.85) 59.5,69.76 59.5,69.7 arc(59.46,69.62) 59.38,69.58 59,69.58 arc(58.91,69.55) 58.88,69.46 58.88,69.4 arc(58.91,69.32) 59,69.28 59.38,69.28 arc(59.46,69.25) 59.5,69.16 59.5,69.1 arc(59.46,69.02) 59.38,68.98 59,68.98 arc(58.91,68.95) 58.88,68.86 58.88,68.8 arc(58.91,68.72) 59,68.68 59.38,68.68 arc(59.46,68.65) 59.5,68.56 59.5,68.5 arc(59.46,68.42) 59.38,68.38 59,68.38 arc(58.91,68.35) 58.88,68.26 58.88,68.2 arc(58.91,68.12) 59,68.08 59.38,68.08 arc(59.46,68.05) 59.5,67.96 59.5,67.9 arc(59.46,67.82) 59.38,67.78 59,67.78 arc(58.91,67.75) 58.88,67.66 58.88,67.6 arc(58.91,67.52) 59,67.48 59.38,67.48 arc(59.46,67.45) 59.5,67.36 59.5,67.3 arc(59.46,67.22) 59.38,67.18 59,67.18 arc(58.91,67.15) 58.88,67.06 58.88,67 arc(58.91,66.92) 59,66.88 59.38,66.88 arc(59.46,66.85) 59.5,66.76 59.5,66.7 arc(59.46,66.62) 59.38,66.58 59,66.58 arc(58.91,66.55) 58.88,66.46 58.88,66.4 arc(58.91,66.32) 59,66.28 59.38,66.28 arc(59.46,66.25) 59.5,66.16 59.5,66.1 arc(59.46,66.02) 59.38,65.98 59,65.98 arc(58.91,65.95) 58.88,65.86 58.88,65.8 arc(58.91,65.72) 59,65.68 59.38,65.68 arc(59.46,65.65) 59.5,65.56 59.5,65 v1(59.75,64.75)
Net-(C30-Pad1): length 1.4
  Top signal w0.15: R54.2 70.2,111.72 C30.1
Net-(C33-Pad2): length 3.5
  Top signal w0.15: R63.2 71.71,112.53 71.7,112.53 R62.2 71.72,112.25 73.45,112.25
Net-(C67-+): length 13.1
  Top signal w0.15: J9.5 121.05,17.7 119.95,18.8 C67.1
Net-(C68-+): length 5.9
  Top signal w0.15: J9.2 114,25.1 C68.1
Net-(C104-Pad1): length 4.5
  Top signal w0.5: FB2.2 26.78,13.52 C104.1 28.43,13.5 F2.1
Net-(C119-Pad1): length 4.9
  Top signal w0.5: F1.1 13.88,13.72 C119.1 9.57,13.72 FB1.2
Net-(D1-A): length 1.7
  Top signal w0.15: D1.2 R25.2
Net-(D1-K): length 16.9
  Top signal w0.13: U12.67 110.95,88.8 v2(110.5,89.25)
  Top signal w0.15: v2(119.75,93.25) D1.1
  Bottom signal w0.13: v2(110.5,89.25) 110.5,88.75 111,88.25 112,88.25 112.5,87.75 113.75,87.75 119.25,93.25 v2(119.75,93.25)
Net-(D2-A): length 1.7
  Top signal w0.15: D2.2 R24.2
Net-(D2-K): length 15.1
  Top signal w0.15: U12.43 118.5,83.5 v2(119,83) ; v2(119.75,91.5) D2.1
  Bottom signal w0.13: 118.25,83 116.75,84.5 116.75,88.5 v2(119.75,91.5)
  Bottom signal w0.15: v2(119,83) 118.25,83
Net-(D3-A): length 1.6
  Top signal w0.15: D3.2 R31.2
Net-(D4-A): length 1.6
  Top signal w0.15: D4.2 R33.2
Net-(D5-A): length 1.6
  Top signal w0.15: R109.2 D5.2
Net-(D6-A): length 1.7
  Top signal w0.15: D6.2 77.65,30.45 R110.2
Net-(D7-A): length 2.2
  Top signal w0.15: D7.2 91.83,99 R111.2
Net-(D8-A): length 2
  Top signal w0.15: D8.2 75.83,101.96 R113.2
Net-(D9-A): length 2.3
  Top signal w0.15: R114.2 39.79,60 D9.2
Net-(D10-A): length 1.8
  Top signal w0.15: R115.2 31.79,82.54 D10.2
Net-(IC2-DREG): length 5
  Top signal w0.15: C63.1 C64.1 102.17,36.65 IC2.1
Net-(IC2-MD1): length 2.5
  Top signal w0.15: R7.2 102.69,32.15 103.44,32.9 IC2.7
Net-(IC2-MD2): length 2.2
  Top signal w0.15: IC2.8 103.94,32.6 103.79,32.45 R8.2
Net-(IC2-MD4): length 2.5
  Top signal w0.15: R5.2 105.79,31.95 104.94,32.8 IC2.10
Net-(IC2-MD5): length 2.5
  Top signal w0.15: R6.2 106.89,31.95 105.94,32.9 IC2.12
Net-(IC2-MD6): length 8.9
  Top signal w0.15: R9.2 96.25,33.75 97.65,35.15 IC2.4
Net-(IC2-VREF): length 4.2
  Top signal w0.15: C62.1 103.44,38.3 IC2.24
Net-(J16-Pad1): length 8.3
  Bottom signal w0.15: R86.2 57.75,7 J16.1
Net-(Q1-G1): length 18.4
  Top signal w0.2: 31.77,95.7 31.77,95.45 30.47,94.15 29.62,94.15 ; 31.77,95.7 31.77,98.25 ; 31.77,95.7 31.77,94.8 32.17,94.4 32.17,92.15 32.62,91.7 33.11,91.7 ; 29.62,94.15 R44.1 ; 29.62,94.15 30.12,93.65 C24.2 ; 31.77,98.25 31.77,99.15 32.48,99.86 33.57,99.86 ; 31.77,98.25 31.77,98.05 32.5,97.32 33.57,97.32
Net-(Q1-S1): length 16.5
  Top signal w0.15: C25.2 34.87,101.75 35.37,101.25 35.37,98.05
  Top signal w0.2: 33.57,96.05 34.97,96.05 35.37,96.45 ; 33.57,98.59 34.83,98.59 35.37,98.05 35.37,96.45 ; 35.37,96.45 35.37,92.2 34.87,91.7 34.13,91.7
Net-(S1-COM_1): length 8.2
  Top signal w0.15: S1.4 S1.3 94.16,52.33 R2.2
Net-(S2-COM_1): length 8.2
  Top signal w0.15: S2.3 S2.4 51.05,61.59 R3.1
Net-(S3-COM_1): length 7.8
  Top signal w0.15: 49.92,49.13 S3.4 S3.3
